# KiCad board Vectrex Pad miniNeoGeo-rounded.kicad_pcb
title: Vectrex Pad miniNeoGeo; date: 2022-05-11; rev: 1.2; note: or send a letter to Creative Commons, PO Box 1866, Mountain View, CA 94042, USA.; note: To view a copy of this license, visit http://creativecommons.org/licenses/by-sa/4.0/; note: Attribution-ShareAlike 4.0 International License.; note: This work is licensed under the Creative Commons
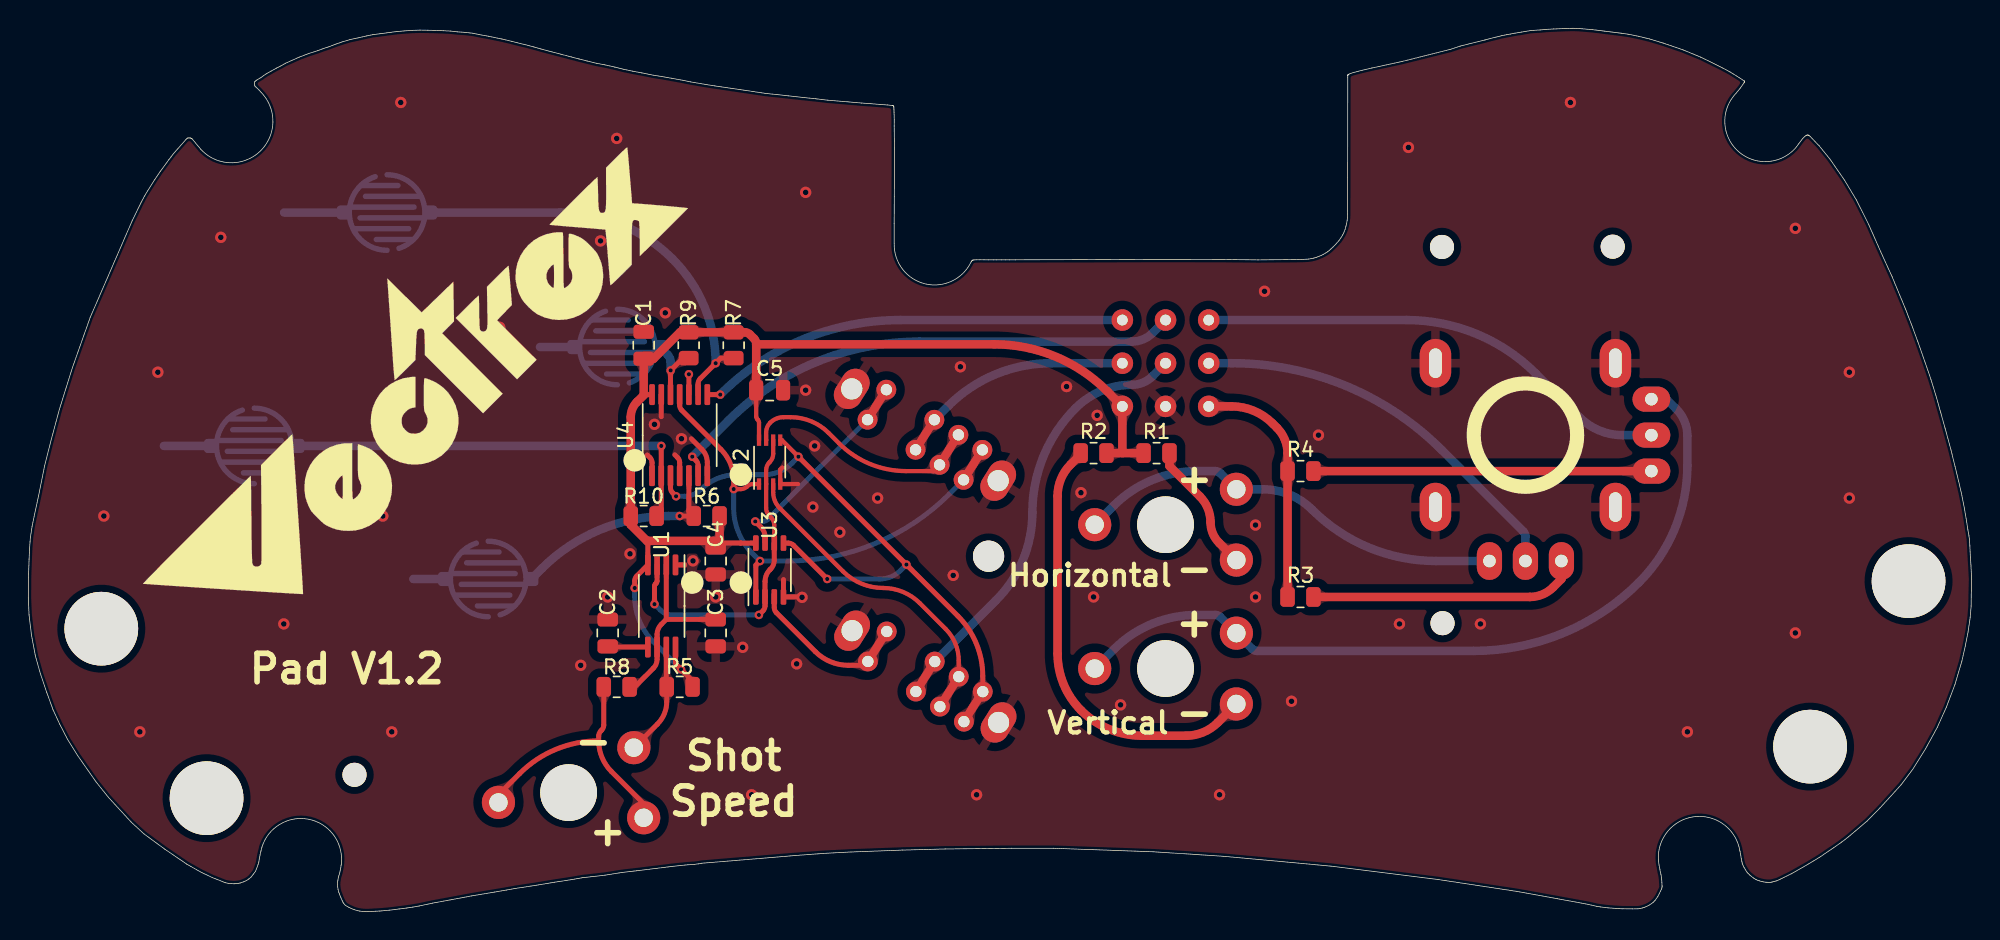
[diagram p0: board, top side]
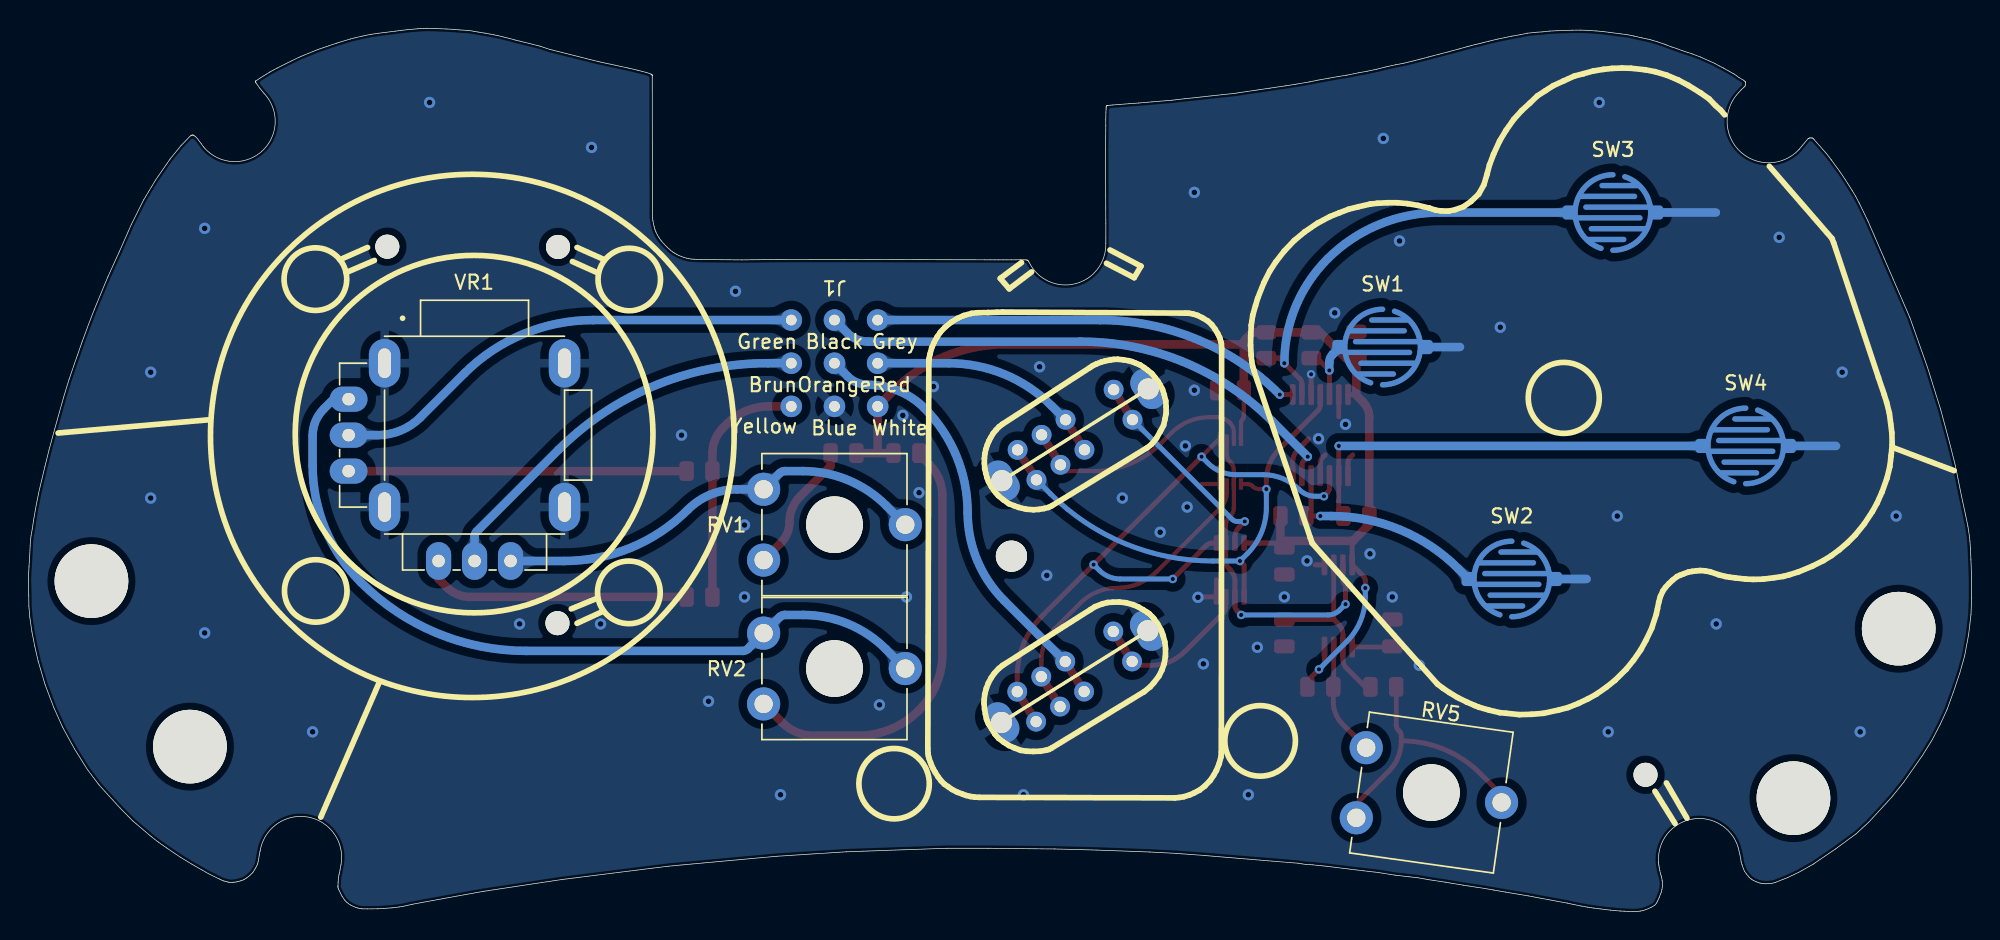
[diagram p1: board, bottom side, seen from below]

Outline 137.15 x 62.39 mm; copper layers: Top, Bottom. Coordinates in mm from the lower left corner of the outline.
Stack: Top 0.035mm / dielectric 1.11mm FR4 er 4.5 / Bottom 0.035mm

## Placement (name value [footprint] x y rotation side)
C1  100nF  [C_0805_2012Metric]  43.43 40.01 90 top
C2  10nF  [C_0805_2012Metric]  40.89 19.69 90 top
C3  470nf  [C_0805_2012Metric]  48.51 19.69 270 top
C4  100nF  [C_0805_2012Metric]  48.51 24.77 270 top
C5  100nF  [C_0805_2012Metric]  52.32 36.83 0 top
G***  LOGO  [vectrex-us-silkscreen]  26.28 37.47 45 top
J1  DB9_Female  [DB9]  80.26 38.74 180 bottom
NOREF  -  [unnamed]  -20.9 108.9 0 top
NOREF#2  -  [unnamed]  -27.85 97.21 0 top
NOREF#3  -  [unnamed#2]  -130.58 95.22 0 top
NOREF#4  -  [unnamed#3]  -85.83 110.66 0 top
NOREF#5  -  [unnamed#2]  -41.78 132.52 0 top
NOREF#6  -  [unnamed#2]  -53.79 105.93 0 top
NOREF#7  -  [unnamed]  -141.02 93.57 0 top
NOREF#8  -  [unnamed#2]  -53.83 132.5 0 top
NOREF#9  -  [unnamed]  -148.45 105.54 0 top
R1  330  [R_0805_2012Metric]  79.62 32.39 0 top
R2  330  [R_0805_2012Metric]  75.18 32.39 180 top
R3  820  [R_0805_2012Metric]  89.78 22.23 180 top
R4  820  [R_0805_2012Metric]  89.78 31.12 180 top
R5  10k  [R_0805_2012Metric]  45.97 15.88 180 top
R6  470k  [R_0805_2012Metric]  47.87 27.94 180 top
R7  470k  [R_0805_2012Metric]  49.78 40.01 270 top
R8  47k  [R_0805_2012Metric]  41.52 15.88 0 top
R9  470k  [R_0805_2012Metric]  46.6 40.01 270 top
R10  470k  [R_0805_2012Metric]  43.43 27.94 0 top
RV1  1k  [Potentiometer_ACP_CA9-V10_Vertical_Hole]  85.26 24.83 180 bottom
RV2  1k  [Potentiometer_ACP_CA9-V10_Vertical_Hole]  85.26 14.67 180 bottom
RV5  470k  [Potentiometer_ACP_CA9-V10_Vertical_Hole]  43.43 6.63 188 bottom
SW1  SW_Push  [Silicon Button 5mm Medium]  41.57 39.88 180 bottom
SW2  SW_Push  [Silicon Button 5mm Medium]  32.46 23.5 180 bottom
SW3  SW_Push  [Silicon Button 5mm Medium]  25.32 49.38 180 bottom
SW4  SW_Push  [Silicon Button 5mm Medium]  15.95 32.9 180 bottom
SW5  SW_DP3T  [OS203011MS1QP1]  63.28 33.68 147.9 bottom
SW6  SW_DP3T  [OS203011MS1QP1]  63.31 16.61 147.9 bottom
U1  NE555D  [TSSOP-8_4.4x3mm_P0.65mm]  44.7 21.59 270 top
U2  74LVC2G32  [VSSOP-8_2.3x2mm_P0.5mm]  52.32 31.75 90 top
U3  74LVC2G00  [SSOP-8_2.95x2.8mm_P0.65mm]  52.32 24.13 90 top
U4  74LS125  [TSSOP-14_4.4x5mm_P0.65mm]  45.97 33.66 90 top
VR1  -  [F-2116]  105.66 33.66 180 bottom

## Library data of the parts
VR1 = -: MANUFACTURER: F; MAXIMUM_PACKAGE_HEIGHT: 19mm; PARTREV: N/A; STANDARD: Manufacturer Recommendations

## Footprints (pads in the part's own frame, mm; a bottom-side part is the same pattern mirrored in y, then rotated)
C_0805_2012Metric
  rrect 1x1.45 smd: 1(-0.95,0) 2(0.95,0)
DB9
  round 1.524 hole 0.762: 1(3.048,0) 2(0,3.048) 3(3.048,3.048) 4(0,0) 5(-3.048,0) 6(-3.048,3.048) 7(3.048,-3.048) 8(0,-3.048) 9(-3.048,-3.048)
F-2116
  oval 1.778x2.667 hole 0.889: H1(2.54,-8.89) H2(0,-8.89) H3(-2.54,-8.89)
  oval 2.222x3.429 hole 0.889x2.096: S1(-6.35,5.08) S2(-6.35,-5.08) S3(6.35,-5.08) S4(6.35,5.08)
  oval 2.667x1.778 hole 0.889: V1(-8.89,2.54) V2(-8.89,0) V3(-8.89,-2.54)
OS203011MS1QP1
  round 1.4 hole 0.8: 1(-4,1.25) 2(-2,1.25) 3(0,1.25) 4(4,1.25) 5(-4,-1.25) 6(-2,-1.25) 7(0,-1.25) 8(4,-1.25)
  oval 2x3 hole 1.5: 9(-6.1,0) 9(6.1,0)
Potentiometer_ACP_CA9-V10_Vertical_Hole
  round 4 hole 4 unplated: (5,2.5)
  round 2.34 hole 1.3: 1(0,0) 2(10,2.5) 3(0,5)
R_0805_2012Metric
  rrect 1.025x1.4 smd: 1(-0.912,0) 2(0.912,0)
Silicon Button 5mm Medium
  rrect 1x1 smd: 1(-3.048,0) 2(3.048,0)
SSOP-8_2.95x2.8mm_P0.65mm
  rrect 1.1x0.4 smd: 1(-1.9,0.975) 2(-1.9,0.325) 3(-1.9,-0.325) 4(-1.9,-0.975) 5(1.9,-0.975) 6(1.9,-0.325) 7(1.9,0.325) 8(1.9,0.975)
TSSOP-8_4.4x3mm_P0.65mm
  rrect 1.475x0.4 smd: 1(-2.9,0.975) 2(-2.9,0.325) 3(-2.9,-0.325) 4(-2.9,-0.975) 5(2.9,-0.975) 6(2.9,-0.325) 7(2.9,0.325) 8(2.9,0.975)
TSSOP-14_4.4x5mm_P0.65mm
  rrect 1.475x0.4 smd: 1(-2.862,1.95) 2(-2.862,1.3) 3(-2.862,0.65) 4(-2.862,0) 5(-2.862,-0.65) 6(-2.862,-1.3) 7(-2.862,-1.95) 8(2.862,-1.95) 9(2.862,-1.3) 10(2.862,-0.65) 11(2.862,0) 12(2.862,0.65) 13(2.862,1.3) 14(2.862,1.95)
unnamed
  round 5.2 hole 5.2 unplated: (153.601,-85.557)
unnamed#2
  round 1.7 hole 1.7 unplated: (153.601,-85.557)
unnamed#3
  round 2.2 hole 2.2 unplated: (153.601,-85.557)
VSSOP-8_2.3x2mm_P0.5mm
  rect 0.8x0.3 smd: 1(-1.55,0.75) 2(-1.55,0.25) 3(-1.55,-0.25) 4(-1.55,-0.75) 5(1.55,-0.75) 6(1.55,-0.25) 7(1.55,0.25) 8(1.55,0.75)

## Nets
+5V: C1.1 C4.1 C5.1 J1.7 R1.1 R2.1 R5.1 R6.1 R7.1 R9.1 R10.1 U1.4 U1.8 U2.8 U3.8 U4.14
-5V: J1.9 R3.2 R4.2
GND: C1.2 C2.2 C3.2 C4.2 C5.2 J1.8 SW1.2 SW2.2 SW3.2 SW4.2 SW5.9 SW6.9 U1.1 U2.4 U3.4 U4.1 U4.4 U4.7 U4.10 U4.13 VR1.S1 VR1.S2 VR1.S3 VR1.S4
/Black: J1.2 U4.6
/Brun: J1.5 VR1.H2
/Green: J1.6 VR1.V2
/Grey: J1.3 U4.8
/Orange: J1.4 SW6.3 SW6.7
/Red: J1.1 SW5.3 SW5.7
Net-(C2-Pad1): C2.1 U1.5
Net-(C3-Pad1): C3.1 R8.2 U1.2 U1.6
Net-(R1-Pad2): R1.2 RV1.1
Net-(R2-Pad2): R2.2 RV2.1
Net-(R5-Pad2): R5.2 RV5.3 U1.7
Net-(R6-Pad2): R6.2 SW2.1 U4.5
Net-(R7-Pad2): R7.2 SW3.1 U4.9
Net-(R8-Pad1): R8.1 RV5.1 RV5.2
Net-(R9-Pad2): R9.2 SW1.1 U4.12
Net-(R10-Pad2): R10.2 SW4.1 U4.2
Net-(RV1-Pad2): RV1.2 RV1.3 VR1.H1
Net-(RV2-Pad2): RV2.2 RV2.3 VR1.V1
Net-(SW5-Pad1): SW5.1 SW5.5 U2.1 U3.1 U4.11
Net-(SW5-Pad2): SW5.2 SW5.6 U2.7
Net-(SW5-Pad4): SW5.4 SW5.8 U3.7
Net-(SW6-Pad1): SW6.1 SW6.5 U2.5 U3.5 U4.3
Net-(SW6-Pad2): SW6.2 SW6.6 U2.3
Net-(SW6-Pad4): SW6.4 SW6.8 U3.3
Net-(U1-Pad3): U1.3 U2.2 U2.6 U3.2 U3.6
Net-(VR1-PadH3): R3.1 VR1.H3
Net-(VR1-PadV3): R4.1 VR1.V3

## Via types
v1: diameter 0.8, hole 0.4, Top to Bottom, 52 vias
v2: diameter 0.6, hole 0.3, Top to Bottom, 18 vias

## Routing (per net, layer and track width the routed paths; a pad name or vN(x,y) marks a point on that pad's centre or on a via; arc(x,y) is an arc through that point)
+5V: length 87.6
  Top w0.3: U2.8 51.57,34.54 arc(51.55,34.65) 51.48,34.75 51.46,34.77 arc(51.39,34.87) 51.37,34.99 C5.1
  Top w0.35: U4.14 43.43,36.52 43.43,36.48 ; 48.51,26.04 50.28,26.04 50.28,26.03 U3.8 ; U1.8 45.67,17.63 arc(45.7,17.52) 45.76,17.42 v2(46.06,17.12) 46.88,16.3 R5.1 ; v2(42.79,22.86) 42.79,23.36 arc(42.83,23.55) 42.94,23.71 U1.4 43.72,26.14 ; 48.79,26 C4.1 ; 51.34,36.81 C5.1
  Top w0.6: R1.1 R2.1 ; 43.43,36.48 42.96,36.01 arc(42.63,35.51) 42.52,34.93 R10.1 42.52,27.33 43.68,26.16 43.71,26.19 48.38,26.19 arc(48.58,26.15) 48.74,26.04 48.79,26 R6.1 ; 43.43,36.52 C1.1 44.13,39.06 45.99,40.92 R9.1 R7.1 50.56,40.92 arc(50.76,40.88) 50.92,40.77 51.22,40.47 arc(51.33,40.31) 51.37,40.12 51.37,40.07 ; 51.37,40.07 68.15,40.07 arc(72.47,39.21) 76.13,36.77 J1.7 77.21,32.39 ; 51.37,40.07 C5.1
  Bottom w0.35: v2(42.79,22.86) 42.79,22.25 arc(43.14,20.53) 44.11,19.07 v2(46.06,17.12)
-5V: length 17.4
  Top w0.6: J1.9 84.91,35.69 arc(86.48,35.38) 87.81,34.49 88.12,34.18 arc(88.68,33.35) 88.87,32.37 R4.2 R3.2
GND: length 27.1
  Top w0.3: 53.21,31.37 53.07,31.23 U2.4 54.32,30.2
  Top w0.35: U4.4 45.97,31.72 arc(45.93,31.91) 45.82,32.07 45.63,32.27 ; U4.13 44.67,34.96 ; 46.79,33.4 47.54,32.64 arc(47.82,32.23) 47.92,31.74 U4.7 ; U4.1 44.02,31.72 arc(43.98,31.91) 43.87,32.07 43.68,32.26 ; v1(54.6,22.2) 54.57,22.23 U3.4 53.29,23.46 ; v2(46.62,37.96) U4.10 ; U1.1 46.33,24.49
  Bottom w0.6: SW2.2 27.17,23.5 ; SW1.2 36.11,39.88 ; SW3.2 18.05,49.38 ; SW4.2 9.57,32.9
  vias: v1(5.33,27.94) v1(7.87,12.7) v1(9.14,38.1) v1(13.58,47.63) v1(18.03,20.32) v1(25.01,27.94) v1(25.65,12.7) v1(26.28,57.15) v1(33.27,41.28) v1(38.98,17.4) v1(40.38,47.37) v1(40.89,22.23) v1(41.52,54.61) v1(42.46,25.28) v1(44.19,34.42) v1(44.95,42.29) v1(46.1,33.4) v1(46.91,24.78) v1(48.51,22.23) v1(50.41,18.67) v1(51.05,8.26) v1(54.22,17.5) v1(54.86,50.8) v1(54.86,36.83) v1(55.37,28.58) v1(55.49,32.9) v1(57.27,26.8) v1(59.94,29.21) v1(65.27,23.75) v1(65.78,38.48) v1(66.92,8.26) v1(73.27,37.09) v1(74.29,29.59) v1(75.18,22.23) v1(75.43,35.05) v1(77.08,14.61) v1(84.07,8.26) v1(86.61,27.31) v1(86.61,22.23) v1(87.24,43.82) v1(89.15,14.86) v1(91.05,33.66) v1(96.77,20.32) v1(97.4,53.98) v1(102.48,20.32) v1(108.83,57.15) v1(117.09,12.7) v1(124.71,48.26) v1(124.71,19.69) v1(128.52,38.1) v1(128.52,29.21)
/Black: length 38
  Top w0.35: U4.6 47.27,31.52 arc(47.23,31.71) 47.12,31.87 v2(46.86,32.13)
  Bottom w0.6: J1.2 79.35,40.87 arc(78.67,40.42) 77.87,40.26 62.89,40.26 arc(55.59,38.81) 49.4,34.67 v2(46.86,32.13)
/Brun: length 28.3
  Bottom w0.6: J1.5 84.96,38.74 arc(92.96,37.14) 99.75,32.61 105.51,26.85 arc(105.62,26.69) 105.66,26.49 VR1.H2
/Green: length 33.9
  Bottom w0.6: J1.6 97.28,41.79 arc(102.2,40.81) 106.38,38.01 109.49,34.91 arc(110.87,33.98) 112.51,33.66 VR1.V2
/Grey: length 30.7
  Top w0.35: U4.8 v2(48.83,36.52)
  Bottom w0.6: J1.3 61.54,41.79 arc(54.66,40.42) v2(48.83,36.52)
/Orange: length 31
  Top w0.6: SW6.7 SW6.3
  Bottom w0.6: J1.4 79.33,37.81 arc(78.67,37.37) 77.89,37.21 arc(75.74,36.79) 73.91,35.57 arc(71.65,32.19) 70.86,28.2 arc(70.19,24.83) 68.29,21.98 SW6.3
/Red: length 17
  Top w0.6: SW5.3 SW5.7
  Bottom w0.6: SW5.3 64.93,35.73 arc(68.26,37.95) 72.2,38.74 J1.1
Net-(C2-Pad1): length 2.9
  Top w0.35: C2.1 40.93,18.69 U1.5
Net-(C3-Pad1): length 13.3
  Top w0.35: R8.2 42.79,15.88 44.12,17.2 arc(44.31,17.49) 44.37,17.82 U1.6 44.37,19.58 arc(44.45,19.97) 44.67,20.29 45.02,20.65 ; 45.02,24.49 45.02,20.65 ; 45.02,20.65 45.03,20.64 48.51,20.64
Net-(R1-Pad2): length 9.3
  Top w0.6: R1.2 80.54,31.48 82.68,29.33 arc(83.24,28.5) 83.43,27.51 arc(83.59,26.72) 84.04,26.05 RV1.1
Net-(R2-Pad2): length 31.4
  Top w0.6: RV2.1 83.94,13.36 arc(82.91,12.67) 81.7,12.43 78.62,12.43 arc(76.28,12.89) 74.3,14.22 arc(73.07,16.06) 72.64,18.22 72.64,29.36 arc(72.88,30.56) 73.56,31.58 74.27,32.29 R2.2
Net-(R5-Pad2): length 8
  Top w0.35: RV5.3 44.4,13.25 arc(44.89,13.98) 45.06,14.84 R5.2 45.02,15.91 45.02,18.69
Net-(R6-Pad2): length 15.7
  Top w0.35: U4.5 46.62,28.29 R6.2 v2(45.97,27.94)
  Bottom w0.6: 35.52,23.52 36.25,24.24 arc(40.35,26.98) 45.19,27.94 v2(45.97,27.94)
Net-(R7-Pad2): length 30.3
  Top w0.35: U4.9 47.27,37.29 arc(47.31,37.48) 47.42,37.64 v2(48.51,38.74) 48.87,39.1 R7.2
  Bottom w0.6: SW3.1 37.56,49.38 arc(41.83,48.53) 45.46,46.11 arc(47.72,42.73) v2(48.51,38.74)
Net-(R8-Pad1): length 19.4
  Top w0.35: RV5.2 33.18,8.26 34.68,9.76 arc(37.24,11.47) 40.25,12.07 ; 40.25,12.07 40.25,12.41 arc(40.29,12.6) 40.4,12.76 40.46,12.82 arc(40.57,12.99) 40.61,13.18 R8.1 ; 40.25,12.07 arc(40.49,10.89) 41.15,9.9 43.43,7.62 RV5.1
Net-(R9-Pad2): length 5.3
  Top w0.35: R9.2 46.2,39.1 v2(45.33,38.23) 45.32,38.21 U4.12
  Bottom w0.35: SW1.1 44.62,39.83
  Bottom w0.6: 44.62,39.83 45.12,39.33 arc(45.28,39.1) 45.33,38.81 v2(45.33,38.23)
Net-(R10-Pad2): length 30.8
  Top w0.35: R10.2 44.67,28.27 U4.2 v2(44.67,32.9)
  Bottom w0.6: SW4.1 v2(44.67,32.9)
Net-(RV1-Pad2): length 30.9
  Bottom w0.6: VR1.H1 99.36,24.77 arc(94.62,25.71) 90.6,28.39 arc(89.01,29.46) 87.13,29.83 RV1.3 84.12,30.97 arc(83.96,31.08) 83.77,31.12 82.49,31.12 arc(79.31,30.48) 76.61,28.68 RV1.2
Net-(RV2-Pad2): length 57.3
  Bottom w0.6: VR1.V1 115.61,36.2 116.31,35.5 arc(116.89,34.64) 117.09,33.62 117.09,31.51 arc(116.2,27.04) 113.67,23.25 arc(108.31,19.67) 102,18.42 86.72,18.42 arc(86.53,18.46) 86.37,18.56 RV2.3 84.12,20.81 arc(83.96,20.92) 83.77,20.96 82.46,20.96 arc(79.3,20.33) 76.63,18.54 RV2.2
Net-(SW5-Pad1): length 36.8
  Top w0.3: U2.1 51.14,30.2 arc(50.91,30.16) 50.72,30.03 50.72,30.02 arc(50.52,29.89) 50.29,29.85 v2(49.78,29.85)
  Top w0.35: U4.11 45.97,35.77 arc(46.01,35.58) 46.12,35.42 48.87,32.66 arc(49.54,31.66) 49.78,30.47 v2(49.78,29.85) 49.78,29.85 ; U3.1 51.34,24.47 v2(51.64,24.77)
  Top w0.6: SW5.1 SW5.5
  Bottom w0.35: v2(49.78,29.85) 49.78,28.52 arc(50.13,26.77) 51.12,25.29 v2(51.64,24.77) 53.56,24.77 arc(59.76,26) 65.02,29.52 SW5.5
Net-(SW5-Pad2): length 17.2
  Top w0.3: 63.87,31.12 61.95,31.12 arc(59.39,31.63) 57.22,33.08 56.48,33.81 arc(55.25,34.64) 53.79,34.93 53.31,34.93 arc(52.79,34.82) 52.35,34.53 arc(52.14,34.22) 52.07,33.84 52.07,33.3 U2.7
  Top w0.35: 63.87,31.12 SW5.6
  Top w0.6: SW5.2 SW5.6
Net-(SW5-Pad4): length 15.2
  Top w0.35: v2(51.3,27.56) 51.7,27.17 arc(51.92,26.84) 51.99,26.45 U3.7
  Top w0.6: SW5.4 SW5.8
  Bottom w0.35: SW5.8 52.19,27.71 arc(52.02,27.6) 51.83,27.56 v2(51.3,27.56)
Net-(SW6-Pad1): length 47.1
  Top w0.3: U2.5 53.18,33.3 v2(54.35,32.13)
  Top w0.35: v2(56.38,23.5) 53.99,25.89 arc(53.83,25.99) 53.64,26.03 U3.5 ; SW6.1 67.36,16.65 arc(66.9,18.94) 65.61,20.88 v2(61.97,24.51) v2(54.35,32.13) ; v2(45.71,29.34) 45.47,29.59 arc(45.36,29.75) 45.32,29.94 U4.3
  Top w0.6: SW6.1 SW6.5
  Bottom w0.35: v2(61.97,24.51) 61.56,24.11 arc(60.89,23.66) 60.09,23.5 v2(56.38,23.5) ; v2(45.71,29.34) 46.31,29.34 arc(46.93,29.46) 47.46,29.81 arc(48.62,30.59) 49.99,30.86 51.92,30.86 arc(52.99,31.08) 53.9,31.68 v2(54.35,32.13)
Net-(SW6-Pad2): length 22.9
  Top w0.3: SW6.2 65.66,17.73 arc(65.42,18.94) 64.74,19.97 62.92,21.79 arc(61.73,22.58) 60.33,22.86 arc(58.8,23.17) 57.5,24.04 53.03,28.5 arc(52.69,29.01) 52.57,29.62 U2.3
  Top w0.6: SW6.2 SW6.6
Net-(SW6-Pad4): length 11.8
  Top w0.35: 52.64,22.43 52.64,21.47 arc(52.68,21.28) 52.79,21.12 55.55,18.36 arc(56.61,17.65) 57.87,17.4 58.98,17.4 SW6.8
  Top w0.6: SW6.4 SW6.8
Net-(U1-Pad3): length 23.5
  Top w0.3: U3.6 52.64,27.29 arc(52.58,27.59) 52.41,27.85 52.3,27.96 arc(52.13,28.22) 52.07,28.52 U2.2 52.07,31.17 arc(52.13,31.48) 52.3,31.74 52.33,31.77 arc(52.51,32.03) 52.57,32.33 U2.6
  Top w0.35: U3.6 52.64,24.82 arc(52.58,24.49) 52.39,24.2 52.34,24.15 arc(52.08,23.77) 51.99,23.32 U3.2 51.99,21.6 arc(51.96,21.41) 51.85,21.25 v2(51.56,20.96) ; v2(44.19,21.72) 44.19,23 arc(44.21,23.07) 44.25,23.14 44.32,23.2 arc(44.36,23.27) 44.37,23.35 U1.3
  Bottom w0.35: v2(51.56,20.96) 45.43,20.96 arc(44.99,21.05) 44.61,21.3 v2(44.19,21.72)
Net-(VR1-PadH3): length 19.2
  Top w0.6: R3.1 105.97,22.23 arc(106.86,22.4) 107.61,22.91 108.2,23.5 VR1.H3
Net-(VR1-PadV3): length 23.9
  Top w0.6: VR1.V3 R4.1

## Copper pours and planes (outline as drawn; the poured copper is in the pictures)
+5V on Top: 77.51,34.17 77.52,34.34 77.53,34.49 77.55,34.6 77.58,34.71 77.62,34.8 77.67,34.89 77.78,35.1 77.84,35.24 77.91,35.4 77.21,35.69 76.51,35.4 76.58,35.24 76.64,35.1 76.76,34.89 76.8,34.8 76.84,34.71 76.87,34.6 76.89,34.49 76.91,34.34 76.91,34.17
+5V on Top: 44.3,39.65 44.2,39.62 44.11,39.61 44.01,39.59 43.92,39.58 43.82,39.56 43.73,39.56 43.63,39.55 43.54,39.55 43.44,39.55 43.35,39.56 43.43,39.06 44.15,38.78 44.21,38.84 44.26,38.89 44.32,38.94 44.38,38.99 44.43,39.04 44.49,39.08 44.55,39.12 44.61,39.16 44.66,39.19 44.72,39.22
+5V on Top: 77.69,32.09 77.74,32.08 77.79,32.07 77.84,32.06 77.9,32.04 77.95,32.02 78,32 78.05,31.97 78.11,31.94 78.16,31.91 78.21,31.88 78.71,32.39 78.21,32.9 78.16,32.86 78.11,32.83 78.05,32.8 78,32.78 77.95,32.75 77.9,32.73 77.84,32.72 77.79,32.7 77.74,32.69 77.69,32.69
+5V on Top: 42.22,29.16 42.02,28.49 42.52,27.94 43.01,28.49 42.82,29.16
+5V on Top: 77.12,32.69 77.06,32.69 77.01,32.7 76.96,32.72 76.91,32.73 76.85,32.75 76.8,32.78 76.75,32.8 76.7,32.83 76.64,32.86 76.59,32.9 76.09,32.39 76.59,31.88 76.64,31.91 76.7,31.94 76.75,31.97 76.8,32 76.85,32.02 76.91,32.04 76.96,32.06 77.01,32.07 77.06,32.08 77.12,32.09
+5V on Top: 48.49,26.72 48.45,26.65 48.41,26.59 48.38,26.54 48.34,26.48 48.31,26.43 48.27,26.38 48.24,26.34 48.2,26.29 48.16,26.25 48.13,26.22 48.51,25.72 49.15,26.15 49.09,26.72
+5V on Top: 51.07,38.06 50.89,37.4 51.37,36.83 51.85,37.4 51.67,38.06
+5V on Top: 49.72,26.21 49.65,26.19 49.57,26.17 49.5,26.16 49.43,26.16 49.35,26.15 49.28,26.16 49.2,26.16 49.13,26.18 49.06,26.2 48.98,26.22 48.51,25.72 49.22,25.39 49.27,25.46 49.32,25.52 49.37,25.58 49.42,25.64 49.47,25.69 49.52,25.73 49.57,25.77 49.62,25.81 49.67,25.84 49.72,25.86
+5V on Top: 47.82,41.22 47.75,41.23 47.68,41.23 47.62,41.24 47.55,41.26 47.48,41.28 47.42,41.3 47.35,41.32 47.28,41.35 47.22,41.38 47.15,41.41 46.6,40.92 47.15,40.43 47.22,40.46 47.28,40.49 47.35,40.52 47.42,40.54 47.48,40.56 47.55,40.58 47.62,40.6 47.68,40.61 47.75,40.62 47.82,40.62
+5V on Top: 49.09,26.73 49.28,27.4 48.79,27.94 48.29,27.4 48.49,26.73
+5V on Top: 46.12,16.81 46.14,16.73 46.17,16.64 46.19,16.54 46.22,16.44 46.24,16.34 46.27,16.23 46.29,16.11 46.32,15.99 46.34,15.87 46.37,15.74 46.88,15.88 47.06,16.58 46.99,16.6 46.92,16.63 46.85,16.67 46.78,16.71 46.71,16.76 46.64,16.81 46.57,16.86 46.5,16.92 46.44,16.99 46.37,17.06
+5V on Top: 48.57,40.62 48.63,40.62 48.7,40.61 48.77,40.6 48.83,40.58 48.9,40.56 48.97,40.54 49.03,40.52 49.1,40.49 49.17,40.46 49.23,40.43 49.78,40.92 49.23,41.41 49.17,41.38 49.1,41.35 49.03,41.32 48.97,41.3 48.9,41.28 48.83,41.26 48.77,41.24 48.7,41.23 48.63,41.23 48.57,41.22
+5V on Top: 51.52,35.61 51.55,35.7 51.59,35.78 51.62,35.86 51.65,35.93 51.68,36 51.72,36.06 51.75,36.12 51.78,36.17 51.82,36.22 51.85,36.26 51.37,36.83 50.89,36.26 50.92,36.22 50.95,36.17 50.99,36.12 51.02,36.06 51.05,36 51.09,35.93 51.12,35.86 51.15,35.78 51.19,35.7 51.22,35.61
+5V on Top: 47.43,25.89 47.46,25.86 47.5,25.83 47.53,25.8 47.57,25.77 47.6,25.73 47.64,25.69 47.68,25.64 47.71,25.59 47.75,25.54 47.78,25.49 48.51,25.72 48.61,26.22 48.5,26.23 48.38,26.25 48.26,26.27 48.14,26.29 48.02,26.32 47.9,26.34 47.78,26.38 47.66,26.41 47.54,26.45 47.43,26.49
+5V on Top: 43.73,38.06 43.93,38.56 43.43,39.06 42.93,38.56 43.13,38.06
+5V on Top: 75.92,36.56 76.04,36.43 76.13,36.32 76.2,36.22 76.25,36.12 76.29,36.03 76.33,35.93 76.39,35.7 76.44,35.56 76.51,35.4 77.21,35.69 77.5,36.39 77.34,36.46 77.2,36.51 76.97,36.57 76.87,36.61 76.78,36.65 76.68,36.7 76.58,36.77 76.47,36.86 76.35,36.98
-5V on Top: 89.17,29.91 89.36,30.57 88.87,31.12 88.38,30.57 88.57,29.91
-5V on Top: 84.83,35.99 84.66,35.99 84.51,36.01 84.39,36.03 84.29,36.06 84.2,36.1 84.1,36.14 83.89,36.26 83.76,36.32 83.6,36.39 83.31,35.69 83.6,34.99 83.76,35.06 83.89,35.12 84.1,35.23 84.2,35.28 84.29,35.32 84.39,35.35 84.51,35.37 84.66,35.38 84.83,35.39
-5V on Top: 88.57,32.33 88.38,31.66 88.87,31.12 89.36,31.66 89.17,32.33
-5V on Top: 88.57,23.44 88.38,22.77 88.87,22.23 89.36,22.77 89.17,23.44
GND on Top, Bottom: -3.56,-1.9 138.68,-1.9 138.68,64.14 -3.56,64.14
/Black on Bottom: 79.56,40.66 79.66,40.76 79.76,40.83 79.85,40.88 79.93,40.91 80.01,40.94 80.1,40.95 80.19,40.97 80.29,41 80.41,41.03 80.55,41.08 80.26,41.79 79.55,42.08 79.5,41.94 79.47,41.82 79.44,41.71 79.43,41.62 79.41,41.54 79.39,41.45 79.35,41.37 79.3,41.29 79.23,41.19 79.13,41.08
/Brun on Bottom: 84.83,39.04 84.66,39.04 84.51,39.06 84.39,39.08 84.29,39.11 84.2,39.15 84.1,39.19 83.89,39.3 83.76,39.37 83.6,39.44 83.31,38.74 83.6,38.03 83.76,38.11 83.89,38.17 84.1,38.28 84.2,38.33 84.29,38.37 84.39,38.4 84.51,38.42 84.66,38.43 84.83,38.44
/Brun on Bottom: 105.36,26.49 105.31,26.36 105.25,26.24 105.2,26.13 105.15,26.02 105.1,25.92 105.05,25.83 104.99,25.75 104.94,25.68 104.89,25.61 104.84,25.55 105.66,24.77 106.48,25.55 106.43,25.61 106.38,25.68 106.32,25.75 106.27,25.83 106.22,25.92 106.17,26.02 106.12,26.13 106.06,26.24 106.01,26.36 105.96,26.49
/Green on Bottom: 84.83,42.09 84.66,42.09 84.51,42.1 84.39,42.13 84.29,42.16 84.2,42.19 84.1,42.24 83.89,42.35 83.76,42.42 83.6,42.49 83.31,41.79 83.6,41.08 83.76,41.15 83.89,41.22 84.1,41.33 84.2,41.38 84.29,41.41 84.39,41.45 84.51,41.47 84.66,41.48 84.83,41.49
/Green on Bottom: 112.51,33.36 112.64,33.35 112.76,33.32 112.89,33.29 113.01,33.26 113.14,33.21 113.26,33.15 113.39,33.09 113.51,33.01 113.64,32.93 113.76,32.84 114.55,33.66 113.76,34.48 113.64,34.39 113.51,34.3 113.39,34.23 113.26,34.16 113.14,34.11 113.01,34.06 112.89,34.02 112.76,33.99 112.64,33.97 112.51,33.96
/Grey on Bottom: 75.69,41.49 75.86,41.48 76.01,41.47 76.13,41.45 76.23,41.41 76.32,41.38 76.41,41.33 76.62,41.22 76.76,41.15 76.92,41.08 77.21,41.79 76.92,42.49 76.76,42.42 76.62,42.35 76.41,42.24 76.32,42.19 76.23,42.16 76.13,42.13 76.01,42.1 75.86,42.09 75.69,42.09
/Orange on Top: 63.12,16.88 63.03,16.74 62.94,16.63 62.85,16.55 62.76,16.48 62.68,16.43 62.59,16.38 62.49,16.32 62.39,16.25 62.28,16.16 62.15,16.04 62.64,15.55 63.29,15.28 63.35,15.45 63.39,15.59 63.41,15.72 63.42,15.83 63.42,15.94 63.43,16.04 63.45,16.15 63.49,16.27 63.54,16.41 63.63,16.56
/Orange on Top: 63.49,16.33 63.59,16.47 63.68,16.58 63.76,16.67 63.85,16.73 63.93,16.78 64.02,16.84 64.12,16.89 64.22,16.96 64.34,17.05 64.47,17.17 63.97,17.67 63.32,17.93 63.26,17.76 63.22,17.62 63.2,17.49 63.19,17.38 63.19,17.27 63.18,17.17 63.16,17.06 63.13,16.94 63.07,16.81 62.98,16.65
/Orange on Bottom: 64.75,18.87 64.63,18.76 64.53,18.67 64.44,18.61 64.36,18.56 64.27,18.52 64.19,18.48 63.98,18.42 63.85,18.37 63.7,18.31 63.97,17.66 64.62,17.4 64.68,17.55 64.72,17.68 64.79,17.88 64.82,17.97 64.86,18.05 64.91,18.14 64.98,18.23 65.06,18.33 65.17,18.44
/Orange on Bottom: 79.55,37.6 79.66,37.7 79.75,37.77 79.84,37.83 79.92,37.86 80,37.88 80.09,37.9 80.18,37.92 80.29,37.95 80.41,37.98 80.55,38.03 80.26,38.74 79.55,39.03 79.5,38.89 79.47,38.77 79.44,38.66 79.42,38.57 79.41,38.48 79.38,38.4 79.35,38.32 79.3,38.23 79.22,38.13 79.12,38.03
/Red on Top: 63.1,33.96 63,33.81 62.91,33.71 62.82,33.62 62.74,33.56 62.65,33.5 62.56,33.45 62.47,33.4 62.36,33.33 62.25,33.24 62.12,33.12 62.62,32.62 63.26,32.36 63.32,32.53 63.36,32.67 63.38,32.8 63.39,32.91 63.4,33.02 63.41,33.12 63.43,33.23 63.46,33.35 63.52,33.48 63.61,33.64
/Red on Top: 63.46,33.41 63.56,33.55 63.65,33.66 63.74,33.74 63.82,33.81 63.91,33.86 64,33.91 64.09,33.97 64.2,34.04 64.31,34.13 64.44,34.25 63.95,34.74 63.3,35.01 63.24,34.84 63.2,34.69 63.18,34.57 63.17,34.46 63.16,34.35 63.15,34.24 63.14,34.14 63.1,34.02 63.04,33.88 62.95,33.73
/Red on Bottom: 75.69,38.44 75.86,38.43 76.01,38.42 76.13,38.4 76.23,38.37 76.32,38.33 76.41,38.28 76.62,38.17 76.76,38.11 76.92,38.03 77.21,38.74 76.92,39.44 76.76,39.37 76.62,39.3 76.41,39.19 76.32,39.15 76.23,39.11 76.13,39.08 76.01,39.06 75.86,39.04 75.69,39.04
/Red on Bottom: 64.72,35.94 64.6,35.83 64.5,35.74 64.41,35.68 64.33,35.63 64.24,35.59 64.16,35.56 63.95,35.49 63.83,35.45 63.68,35.39 63.94,34.74 64.59,34.47 64.65,34.62 64.7,34.75 64.76,34.95 64.79,35.04 64.83,35.12 64.88,35.21 64.95,35.3 65.03,35.4 65.14,35.51
Net-(C2-Pad1) on Top: 42.11,18.87 42.05,18.88 41.98,18.9 41.92,18.92 41.85,18.95 41.79,18.98 41.72,19.02 41.66,19.06 41.59,19.11 41.53,19.16 41.46,19.22 40.89,18.74 41.46,18.26 41.53,18.3 41.59,18.35 41.66,18.39 41.72,18.42 41.79,18.45 41.85,18.47 41.92,18.49 41.98,18.5 42.05,18.51 42.11,18.52
Net-(C3-Pad1) on Top: 47.28,20.47 47.35,20.46 47.41,20.44 47.48,20.43 47.55,20.4 47.61,20.37 47.68,20.34 47.74,20.3 47.81,20.26 47.87,20.21 47.94,20.16 48.51,20.64 47.94,21.12 47.87,21.07 47.81,21.02 47.74,20.98 47.68,20.94 47.61,20.91 47.55,20.88 47.48,20.86 47.41,20.84 47.35,20.83 47.28,20.82
Net-(R1-Pad2) on Top: 80.96,31.48 81.05,31.94 80.54,32.39 80.14,31.73 80.18,31.68 80.22,31.62 80.26,31.56 80.3,31.5 80.34,31.43 80.38,31.36 80.42,31.29 80.46,31.21 80.5,31.13 80.54,31.05
Net-(R1-Pad2) on Top: 83.83,25.84 83.95,25.7 84.03,25.57 84.08,25.45 84.1,25.32 84.11,25.2 84.11,25.08 84.1,24.96 84.1,24.82 84.11,24.68 84.14,24.54 85.26,24.83 85.46,25.98 85.32,26 85.19,26 85.07,26 84.95,25.99 84.84,25.99 84.73,26 84.61,26.03 84.5,26.07 84.38,26.15 84.25,26.26
Net-(R2-Pad2) on Top: 73.77,31.37 73.83,31.42 73.89,31.46 73.94,31.5 74,31.54 74.05,31.57 74.11,31.6 74.17,31.63 74.22,31.65 74.28,31.67 74.33,31.69 74.27,32.39 73.75,32.58 73.71,32.49 73.67,32.4 73.63,32.31 73.59,32.23 73.55,32.15 73.51,32.07 73.47,32 73.43,31.93 73.39,31.86 73.35,31.8
Net-(R2-Pad2) on Top: 84.15,13.14 84.29,13.27 84.42,13.36 84.55,13.42 84.67,13.46 84.79,13.48 84.91,13.49 85.17,13.49 85.31,13.5 85.46,13.52 85.26,14.67 84.14,14.97 84.11,14.81 84.09,14.66 84.08,14.52 84.08,14.38 84.07,14.25 84.06,14.12 84.02,13.99 83.96,13.86 83.86,13.72 83.73,13.57
Net-(R5-Pad2) on Top: 44.13,13.23 43.96,13.08 43.81,12.96 43.66,12.89 43.51,12.84 43.37,12.81 43.22,12.79 43.07,12.78 42.9,12.78 42.73,12.76 42.53,12.74 42.73,11.58 43.85,11.29 43.89,11.49 43.92,11.67 43.93,11.85 43.94,12.01 43.95,12.16 43.98,12.32 44.03,12.47 44.1,12.63 44.22,12.8 44.38,12.98
Net-(R5-Pad2) on Top: 44.85,17.09 44.82,17 44.79,16.92 44.76,16.84 44.73,16.76 44.71,16.69 44.68,16.63 44.65,16.57 44.62,16.52 44.59,16.47 44.56,16.42 45.06,15.88 45.55,16.42 45.51,16.47 45.48,16.52 45.44,16.57 45.41,16.63 45.37,16.69 45.34,16.76 45.3,16.84 45.27,16.92 45.23,17 45.2,17.09
Net-(R5-Pad2) on Top: 45.23,14.84 45.26,14.9 45.3,14.97 45.33,15.03 45.36,15.09 45.39,15.14 45.42,15.19 45.45,15.23 45.49,15.27 45.52,15.3 45.55,15.33 45.06,15.88 44.56,15.33 44.59,15.3 44.63,15.27 44.66,15.23 44.69,15.19 44.72,15.14 44.75,15.09 44.79,15.03 44.82,14.97 44.85,14.9 44.88,14.84
Net-(R6-Pad2) on Top: 45.97,27.77 46.02,27.75 46.07,27.74 46.12,27.71 46.17,27.69 46.22,27.65 46.26,27.62 46.31,27.58 46.36,27.53 46.41,27.48 46.46,27.43 46.96,27.94 46.46,28.46 46.41,28.4 46.36,28.35 46.31,28.31 46.26,28.27 46.22,28.23 46.17,28.2 46.12,28.17 46.07,28.15 46.02,28.13 45.97,28.12
Net-(R6-Pad2) on Top: 46.44,29.14 46.45,27.87 46.96,27.94 47.3,28.63 47.25,28.66 47.2,28.69 47.15,28.73 47.1,28.77 47.05,28.82 47,28.87 46.95,28.93 46.89,29 46.84,29.07 46.79,29.14
Net-(R6-Pad2) on Bottom: 36.03,24.45 35.96,24.39 35.89,24.34 35.81,24.28 35.74,24.23 35.67,24.19 35.59,24.14 35.52,24.1 35.44,24.06 35.37,24.03 35.3,24 35.5,23.5 36,23.29 36.05,23.38 36.09,23.46 36.14,23.54 36.19,23.62 36.23,23.7 36.28,23.77 36.32,23.84 36.37,23.9 36.41,23.97 36.46,24.03
Net-(R7-Pad2) on Top: 48.78,38.76 48.82,38.76 48.87,38.76 48.91,38.75 48.96,38.74 49.01,38.73 49.05,38.71 49.1,38.69 49.14,38.66 49.19,38.63 49.23,38.6 49.78,39.1 49.12,39.49 49.07,39.42 49.01,39.36 48.95,39.29 48.89,39.24 48.83,39.19 48.77,39.14 48.71,39.1 48.65,39.06 48.59,39.03 48.53,39.01
Net-(R8-Pad1) on Top: 42.44,8.37 42.57,8.2 42.65,8.04 42.67,7.89 42.65,7.74 42.6,7.58 42.53,7.43 42.45,7.27 42.37,7.11 42.31,6.93 42.28,6.74 43.43,6.63 44.01,7.65 43.85,7.74 43.7,7.82 43.58,7.9 43.46,7.97 43.35,8.04 43.23,8.12 43.12,8.21 42.99,8.32 42.85,8.46 42.68,8.62
Net-(R8-Pad1) on Top: 34.26,9.59 34.08,9.42 33.92,9.29 33.77,9.19 33.63,9.12 33.49,9.06 33.34,9.01 33.2,8.96 33.04,8.91 32.87,8.84 32.69,8.76 33.18,7.72 34.35,7.72 34.34,7.91 34.31,8.09 34.27,8.26 34.24,8.42 34.21,8.57 34.2,8.72 34.22,8.86 34.27,9.02 34.36,9.18 34.51,9.34
Net-(R8-Pad1) on Top: 40.79,14.67 40.82,14.75 40.85,14.84 40.88,14.92 40.91,14.99 40.95,15.06 40.98,15.13 41.01,15.18 41.04,15.24 41.07,15.29 41.1,15.33 40.61,15.88 40.12,15.33 40.15,15.29 40.18,15.24 40.21,15.18 40.25,15.13 40.28,15.06 40.31,14.99 40.34,14.92 40.37,14.84 40.4,14.75 40.44,14.67
Net-(R9-Pad2) on Top: 45.67,38.32 45.78,38.37 45.89,38.41 45.99,38.45 46.1,38.49 46.21,38.51 46.32,38.54 46.43,38.56 46.53,38.57 46.64,38.58 46.75,38.58 46.6,39.1 45.9,39.27 45.86,39.17 45.81,39.09 45.76,39 45.71,38.93 45.66,38.85 45.62,38.79 45.57,38.72 45.52,38.67 45.47,38.61 45.42,38.57
Net-(R10-Pad2) on Top: 44.49,29.14 44.44,29.07 44.39,29 44.34,28.93 44.3,28.88 44.25,28.82 44.2,28.77 44.15,28.73 44.1,28.69 44.05,28.66 44,28.63 44.34,27.94 44.85,28.39 44.84,29.14
Net-(RV1-Pad2) on Bottom: 83.91,30.76 84.02,30.63 84.09,30.51 84.13,30.39 84.14,30.28 84.14,30.16 84.13,30.05 84.12,29.93 84.11,29.8 84.12,29.67 84.14,29.54 85.26,29.83 85.46,30.98 85.33,31 85.21,31 85.09,30.99 84.98,30.97 84.88,30.96 84.77,30.96 84.67,30.98 84.56,31.01 84.45,31.08 84.33,31.18
Net-(RV1-Pad2) on Bottom: 87.13,30.13 86.93,30.14 86.77,30.18 86.63,30.23 86.51,30.29 86.41,30.37 86.31,30.46 86.22,30.55 86.11,30.64 86,30.74 85.86,30.83 85.26,29.83 85.86,28.83 86,28.92 86.11,29.02 86.22,29.12 86.31,29.21 86.41,29.29 86.51,29.37 86.63,29.44 86.77,29.49 86.93,29.52 87.13,29.53
Net-(RV1-Pad2) on Bottom: 76.39,28.89 76.25,28.76 76.12,28.67 75.99,28.6 75.87,28.56 75.75,28.54 75.62,28.53 75.36,28.52 75.21,28.51 75.06,28.48 75.26,27.33 76.38,27.04 76.41,27.2 76.43,27.36 76.44,27.5 76.45,27.64 76.46,27.77 76.48,27.9 76.52,28.03 76.58,28.17 76.68,28.31 76.82,28.47
Net-(RV1-Pad2) on Bottom: 101.34,24.47 101.44,24.45 101.55,24.42 101.65,24.38 101.75,24.34 101.85,24.28 101.96,24.22 102.06,24.15 102.16,24.07 102.26,23.98 102.37,23.88 103.12,24.77 102.37,25.66 102.26,25.56 102.16,25.47 102.06,25.39 101.96,25.31 101.85,25.25 101.75,25.2 101.65,25.15 101.55,25.11 101.44,25.09 101.34,25.07
Net-(RV2-Pad2) on Bottom: 86.58,18.78 86.5,18.87 86.44,18.96 86.41,19.04 86.39,19.13 86.38,19.21 86.39,19.29 86.41,19.47 86.42,19.57 86.43,19.67 85.26,19.67 85.06,18.52 85.18,18.51 85.3,18.51 85.41,18.52 85.52,18.54 85.62,18.55 85.73,18.56 85.83,18.55 85.93,18.51 86.04,18.45 86.16,18.35
Net-(RV2-Pad2) on Bottom: 76.42,18.76 76.27,18.62 76.14,18.53 76.01,18.46 75.88,18.42 75.76,18.39 75.63,18.37 75.5,18.37 75.37,18.36 75.22,18.35 75.06,18.32 75.26,17.17 76.38,16.88 76.41,17.05 76.43,17.2 76.44,17.35 76.45,17.49 76.47,17.62 76.49,17.76 76.53,17.89 76.6,18.03 76.7,18.18 76.84,18.33
Net-(RV2-Pad2) on Bottom: 83.91,20.6 84.02,20.47 84.09,20.35 84.13,20.23 84.14,20.12 84.14,20 84.13,19.89 84.12,19.77 84.11,19.64 84.12,19.51 84.14,19.38 85.26,19.67 85.46,20.82 85.33,20.84 85.21,20.84 85.09,20.83 84.98,20.81 84.88,20.8 84.77,20.8 84.67,20.82 84.56,20.85 84.45,20.92 84.33,21.02
Net-(SW5-Pad1) on Top: 66.85,31.28 66.95,31.43 67.04,31.54 67.13,31.62 67.21,31.68 67.3,31.74 67.39,31.79 67.48,31.84 67.58,31.91 67.7,32 67.83,32.12 67.33,32.62 66.69,32.88 66.62,32.71 66.59,32.57 66.57,32.44 66.56,32.33 66.55,32.22 66.54,32.12 66.52,32.01 66.49,31.89 66.43,31.76 66.34,31.6
Net-(SW5-Pad1) on Top: 66.49,31.83 66.39,31.69 66.3,31.58 66.21,31.5 66.13,31.43 66.04,31.38 65.95,31.33 65.86,31.27 65.75,31.2 65.64,31.11 65.51,30.99 66,30.5 66.65,30.23 66.71,30.4 66.75,30.55 66.77,30.67 66.78,30.79 66.79,30.89 66.8,31 66.81,31.1 66.85,31.22 66.91,31.36 67,31.51
Net-(SW5-Pad1) on Bottom: 65.15,29.39 65.27,29.5 65.37,29.58 65.47,29.64 65.57,29.67 65.66,29.7 65.86,29.73 65.98,29.76 66.12,29.79 66.27,29.85 66.01,30.5 65.36,30.77 65.3,30.61 65.26,30.47 65.24,30.36 65.2,30.15 65.18,30.06 65.14,29.97 65.09,29.87 65.01,29.76 64.9,29.64
Net-(SW5-Pad2) on Top: 63.08,30.97 63.25,30.96 63.39,30.96 63.5,30.94 63.6,30.93 63.79,30.9 63.89,30.88 64,30.87 64.14,30.86 64.31,30.86 64.31,31.56 63.82,32.06 63.72,31.94 63.64,31.83 63.59,31.72 63.51,31.52 63.46,31.44 63.41,31.37 63.33,31.31 63.22,31.28 63.08,31.27
Net-(SW5-Pad2) on Top: 65.16,32.34 65.25,32.49 65.35,32.6 65.43,32.68 65.52,32.74 65.6,32.8 65.69,32.85 65.79,32.91 65.89,32.97 66.01,33.06 66.13,33.18 65.64,33.68 64.99,33.95 64.93,33.78 64.89,33.63 64.87,33.51 64.86,33.39 64.86,33.29 64.85,33.18 64.83,33.07 64.79,32.95 64.74,32.82 64.65,32.66
Net-(SW5-Pad2) on Top: 64.79,32.9 64.7,32.75 64.6,32.64 64.52,32.56 64.43,32.5 64.35,32.44 64.26,32.39 64.16,32.34 64.06,32.27 63.94,32.18 63.82,32.06 64.31,31.56 64.96,31.29 65.02,31.46 65.06,31.61 65.08,31.73 65.09,31.85 65.09,31.95 65.1,32.06 65.12,32.17 65.15,32.29 65.21,32.42 65.3,32.58
Net-(SW5-Pad4) on Top: 59.71,36.08 59.61,35.94 59.52,35.83 59.43,35.75 59.35,35.68 59.26,35.63 59.18,35.58 59.08,35.52 58.98,35.45 58.86,35.36 58.73,35.24 59.23,34.75 59.87,34.48 59.94,34.65 59.97,34.8 59.99,34.92 60,35.04 60.01,35.14 60.02,35.25 60.04,35.36 60.07,35.47 60.13,35.61 60.22,35.77
Net-(SW5-Pad4) on Top: 60.07,35.53 60.17,35.68 60.26,35.79 60.35,35.87 60.43,35.93 60.52,35.99 60.61,36.04 60.7,36.09 60.81,36.16 60.92,36.25 61.05,36.37 60.56,36.87 59.91,37.14 59.85,36.97 59.81,36.82 59.79,36.69 59.78,36.58 59.77,36.47 59.77,36.37 59.75,36.26 59.71,36.14 59.65,36.01 59.57,35.85
Net-(SW5-Pad4) on Bottom: 58.36,33.64 58.48,33.75 58.59,33.83 58.69,33.88 58.78,33.92 58.88,33.94 58.98,33.96 59.08,33.98 59.2,34.01 59.34,34.04 59.5,34.1 59.23,34.75 58.58,35.02 58.52,34.86 58.48,34.72 58.46,34.6 58.44,34.5 58.42,34.4 58.4,34.31 58.36,34.21 58.31,34.11 58.23,34.01 58.11,33.88
Net-(SW6-Pad1) on Top: 66.51,14.76 66.41,14.61 66.32,14.5 66.24,14.42 66.15,14.36 66.07,14.3 65.98,14.25 65.88,14.2 65.78,14.13 65.66,14.04 65.54,13.92 66.03,13.42 66.68,13.15 66.74,13.32 66.78,13.47 66.8,13.6 66.81,13.71 66.81,13.81 66.82,13.92 66.84,14.03 66.87,14.15 66.93,14.28 67.02,14.44
Net-(SW6-Pad1) on Top: 67.18,16.65 67.18,16.52 67.15,16.42 67.12,16.34 67.07,16.27 67.02,16.21 66.96,16.16 66.9,16.09 66.83,16.02 66.77,15.93 66.71,15.81 67.36,15.54 68.01,15.81 67.95,15.93 67.89,16.02 67.82,16.09 67.76,16.16 67.7,16.21 67.65,16.27 67.6,16.34 67.56,16.42 67.54,16.52 67.53,16.65
Net-(SW6-Pad1) on Top: 66.88,14.21 66.97,14.35 67.07,14.46 67.15,14.54 67.24,14.61 67.32,14.66 67.41,14.71 67.51,14.77 67.61,14.83 67.72,14.93 67.85,15.04 67.36,15.54 66.71,15.81 66.65,15.64 66.61,15.49 66.59,15.37 66.58,15.25 66.58,15.15 66.57,15.04 66.55,14.93 66.51,14.81 66.46,14.68 66.37,14.52
Net-(SW6-Pad2) on Top: 64.82,15.82 64.72,15.67 64.63,15.57 64.54,15.48 64.46,15.42 64.37,15.37 64.28,15.31 64.19,15.26 64.08,15.19 63.97,15.1 63.84,14.98 64.34,14.48 64.98,14.22 65.04,14.39 65.08,14.53 65.1,14.66 65.11,14.77 65.12,14.88 65.13,14.98 65.14,15.09 65.18,15.21 65.24,15.34 65.33,15.5
Net-(SW6-Pad2) on Top: 65.51,17.73 65.51,17.6 65.48,17.5 65.44,17.41 65.39,17.35 65.34,17.29 65.27,17.23 65.21,17.17 65.14,17.09 65.08,16.99 65.02,16.87 65.66,16.6 66.31,16.87 66.25,16.99 66.19,17.09 66.12,17.17 66.05,17.23 65.99,17.29 65.93,17.35 65.89,17.41 65.85,17.5 65.82,17.6 65.81,17.73
Net-(SW6-Pad2) on Top: 65.18,15.27 65.28,15.41 65.37,15.52 65.46,15.6 65.54,15.67 65.63,15.72 65.72,15.77 65.81,15.83 65.92,15.9 66.03,15.99 66.16,16.11 65.66,16.6 65.02,16.87 64.96,16.7 64.92,16.56 64.9,16.43 64.89,16.32 64.88,16.21 64.87,16.11 64.86,16 64.82,15.88 64.76,15.74 64.67,15.59
Net-(SW6-Pad4) on Top: 60.1,18.46 60.2,18.6 60.29,18.71 60.37,18.79 60.46,18.86 60.55,18.91 60.63,18.96 60.73,19.02 60.83,19.09 60.95,19.18 61.08,19.3 60.58,19.79 59.93,20.06 59.87,19.89 59.84,19.74 59.82,19.62 59.81,19.5 59.8,19.4 59.79,19.29 59.77,19.18 59.74,19.07 59.68,18.93 59.59,18.78
Net-(SW6-Pad4) on Top: 59.74,19.01 59.64,18.86 59.55,18.75 59.46,18.67 59.38,18.61 59.29,18.55 59.2,18.5 59.11,18.45 59,18.38 58.89,18.29 58.76,18.17 59.25,17.67 59.9,17.41 59.96,17.57 60,17.72 60.02,17.85 60.03,17.96 60.03,18.07 60.04,18.17 60.06,18.28 60.1,18.4 60.16,18.53 60.24,18.69
Net-(SW6-Pad4) on Top: 57.91,17.23 58.09,17.22 58.25,17.2 58.37,17.17 58.48,17.14 58.68,17.06 58.79,17.03 58.92,17 59.07,16.98 59.25,16.97 59.25,17.67 58.76,18.17 58.66,18.06 58.58,17.97 58.45,17.8 58.39,17.74 58.33,17.68 58.25,17.64 58.16,17.6 58.05,17.58 57.91,17.58
Net-(VR1-PadH3) on Top: 91.72,22.53 91.67,22.53 91.62,22.54 91.56,22.56 91.51,22.57 91.46,22.59 91.41,22.62 91.35,22.64 91.3,22.67 91.25,22.7 91.2,22.74 90.7,22.23 91.2,21.72 91.25,21.75 91.3,21.78 91.35,21.81 91.41,21.84 91.46,21.86 91.51,21.88 91.56,21.9 91.62,21.91 91.67,21.92 91.72,21.93
Net-(VR1-PadV3) on Top: 112.33,30.82 112.47,30.81 112.61,30.78 112.76,30.75 112.9,30.72 113.05,30.67 113.19,30.61 113.33,30.55 113.48,30.47 113.62,30.39 113.76,30.3 114.55,31.12 113.76,31.94 113.62,31.85 113.48,31.76 113.33,31.69 113.19,31.62 113.05,31.57 112.9,31.52 112.76,31.48 112.61,31.45 112.47,31.43 112.33,31.42
Net-(VR1-PadV3) on Top: 91.72,31.42 91.67,31.42 91.62,31.43 91.56,31.45 91.51,31.46 91.46,31.48 91.41,31.51 91.35,31.53 91.3,31.56 91.25,31.59 91.2,31.63 90.7,31.12 91.2,30.61 91.25,30.64 91.3,30.67 91.35,30.7 91.41,30.73 91.46,30.75 91.51,30.77 91.56,30.79 91.62,30.8 91.67,30.81 91.72,30.82

Small or netless copper shapes (teardrops, artwork), in the pictures only: 57 on Top, 15 on Bottom

## Text on the board
F.Silkscreen: Horizontal | Vertical | Pad V1.2 | - | + | Shot / Speed
